# Altium PCB norbi_lm.PcbDoc (part 1 of 5) (continued)
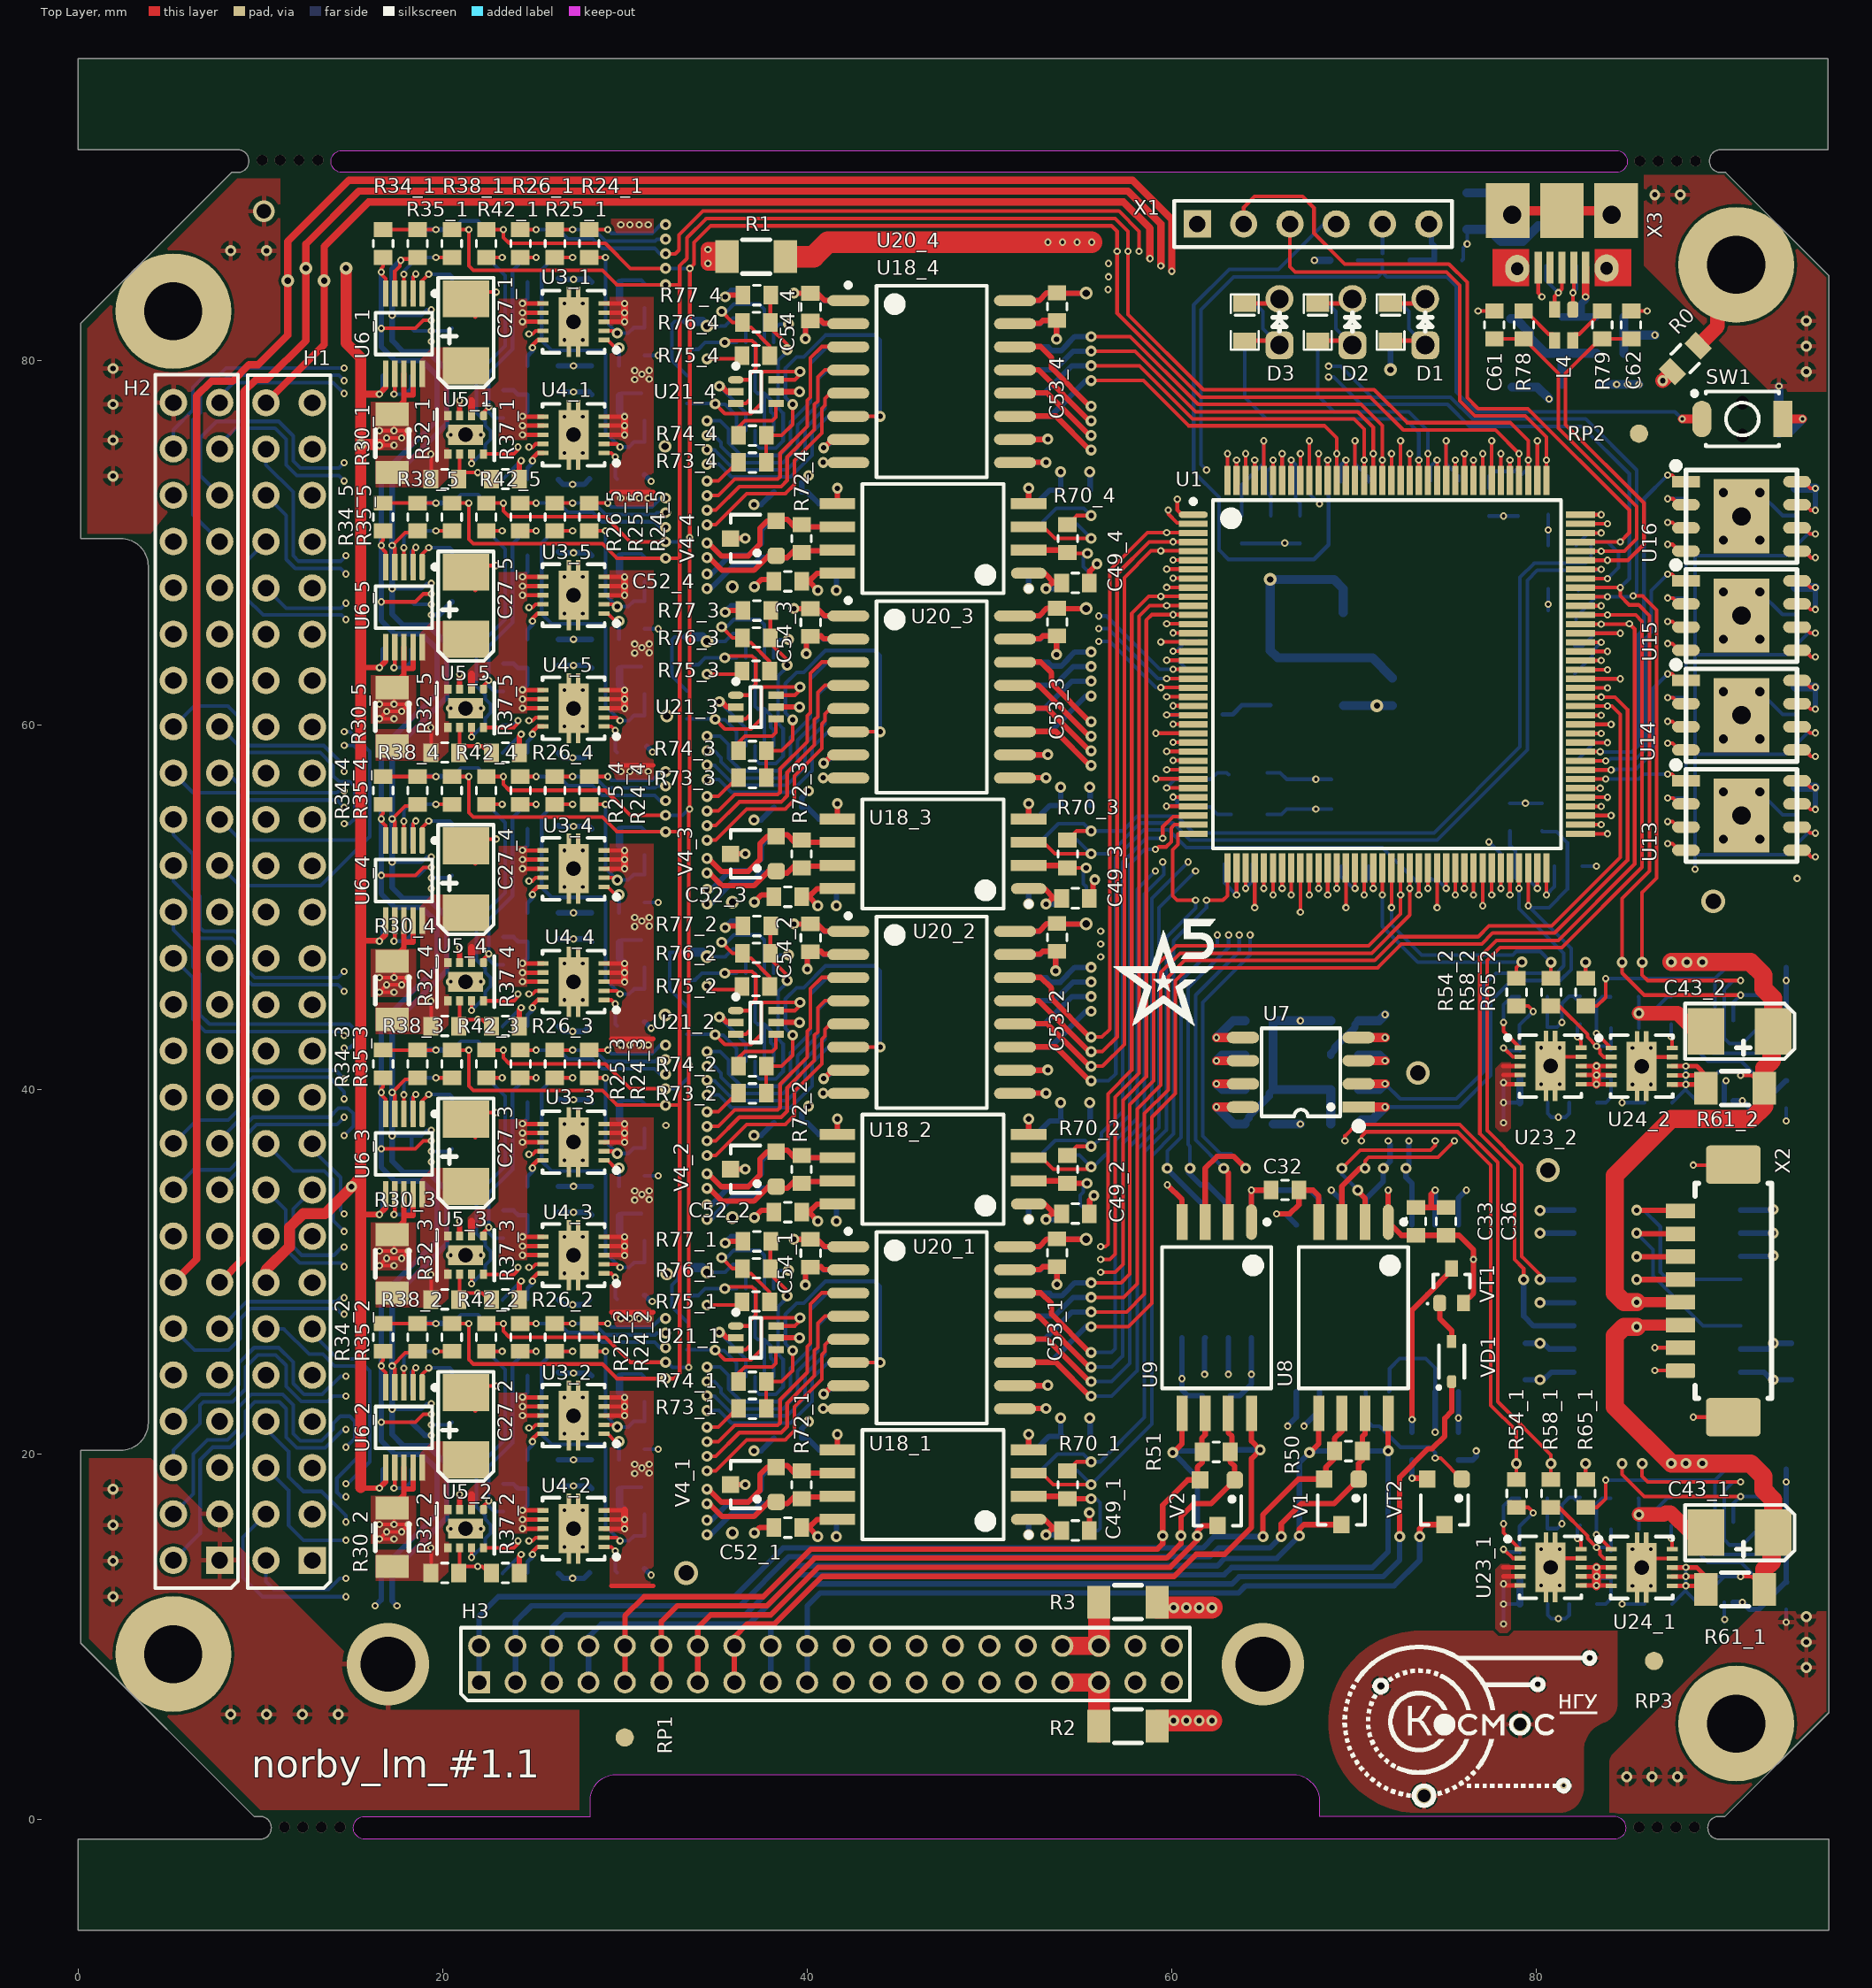
[diagram p0: Top Layer view]
## Components (designator, comment, footprint, x,y, rotation, side; value= is the part's Value field where it differs from the comment)
C1 "10мкФ" CR-0603 80.645,69.867 r0 bottom
C2 "10мкФ" CR-0603 78.1,52.278 r0 bottom
C3 "0,1мкФ" CR-0603 68.676,85.5 r0 bottom
C4 "0,1мкФ" CR-0603 72.675,61.076 r90 bottom
C5 "0,1мкФ" CR-0603 75.924,85.5 r180 bottom
C6 "10мкФ" CR-0603 67.021,56.924 r270 bottom
C7 "0,1мкФ" CR-0603 68.75,56.924 r270 bottom
C8 "0,1мкФ" CR-0603 61.4,57.042 r270 bottom
C9 "0,1мкФ" CR-0603 80.645,71.55 r0 bottom
C10 "0,1мкФ" CR-0603 82.1,62.837 r90 bottom
C11 "0,1мкФ" CR-0603 82.169,58.026 r90 bottom
C12 "0,1мкФ" CR-0603 82.52,52.278 r180 bottom
C13 "0,1мкФ" CR-0603 74,52.3 r0 bottom
C14 "0,1мкФ" CR-0603 61.4,64.624 r270 bottom
C15 "0,1мкФ" CR-0603 75.724,73.4 r180 bottom
C16 "0,1мкФ" CR-0603 70.8,73.35 r180 bottom
C17 "0,1мкФ" CR-0603 62.9,52.4 r0 bottom
C18 "0,1мкФ" CR-0603 69.276,52.278 r0 bottom
C19 "0,1мкФ" CR-0805 94.275,26.1 r270 bottom
C20 "0,1мкФ" CR-0805 78.9,26.1 r270 bottom
C21_1 "0,1мкФ" CR-0603 28.178,78.136 r0 bottom (schematic designator C21)
C21_2 "0,1мкФ" CR-0603 28.178,18.136 r0 bottom (schematic designator C21)
C21_3 "0,1мкФ" CR-0603 28.178,33.136 r0 bottom (schematic designator C21)
C21_4 "0,1мкФ" CR-0603 28.178,48.136 r0 bottom (schematic designator C21)
C21_5 "0,1мкФ" CR-0603 28.178,63.136 r0 bottom (schematic designator C21)
C22_1 "0,1мкФ" CR-0603 28.178,84.312 r0 bottom (schematic designator C22)
C22_2 "0,1мкФ" CR-0603 28.178,24.312 r0 bottom (schematic designator C22)
C22_3 "0,1мкФ" CR-0603 28.178,39.312 r0 bottom (schematic designator C22)
C22_4 "0,1мкФ" CR-0603 28.178,54.312 r0 bottom (schematic designator C22)
C22_5 "0,1мкФ" CR-0603 28.178,69.312 r0 bottom (schematic designator C22)
C23_1 "1мкФ" CR-0603 26.178,84.312 r180 bottom (schematic designator C23)
C23_2 "1мкФ" CR-0603 26.178,24.312 r180 bottom (schematic designator C23)
C23_3 "1мкФ" CR-0603 26.178,39.312 r180 bottom (schematic designator C23)
C23_4 "1мкФ" CR-0603 26.178,54.312 r180 bottom (schematic designator C23)
C23_5 "1мкФ" CR-0603 26.178,69.312 r180 bottom (schematic designator C23)
C24_1 "0,1мкФ" CR-0603 28.154,79.712 r0 bottom (schematic designator C24)
C24_2 "0,1мкФ" CR-0603 28.154,19.712 r0 bottom (schematic designator C24)
C24_3 "0,1мкФ" CR-0603 28.154,34.712 r0 bottom (schematic designator C24)
C24_4 "0,1мкФ" CR-0603 28.154,49.712 r0 bottom (schematic designator C24)
C24_5 "0,1мкФ" CR-0603 28.154,64.712 r0 bottom (schematic designator C24)
C25_1 "1мкФ" CR-0603 26.178,78.134 r180 bottom (schematic designator C25)
C25_2 "1мкФ" CR-0603 26.178,18.134 r180 bottom (schematic designator C25)
C25_3 "1мкФ" CR-0603 26.178,33.134 r180 bottom (schematic designator C25)
C25_4 "1мкФ" CR-0603 26.178,48.134 r180 bottom (schematic designator C25)
C25_5 "1мкФ" CR-0603 26.178,63.134 r180 bottom (schematic designator C25)
C26_1 "0,1мкФ" CR-0603 28.054,73.512 r0 bottom (schematic designator C26)
C26_2 "0,1мкФ" CR-0603 28.054,13.512 r0 bottom (schematic designator C26)
C26_3 "0,1мкФ" CR-0603 28.054,28.512 r0 bottom (schematic designator C26)
C26_4 "0,1мкФ" CR-0603 28.054,43.512 r0 bottom (schematic designator C26)
C26_5 "0,1мкФ" CR-0603 28.054,58.512 r0 bottom (schematic designator C26)
C27_1 "47мкФх10В" C_SMD_SIZE_B 21.278,79.712 r90 top (schematic designator C27)
C27_2 "47мкФх10В" C_SMD_SIZE_B 21.278,19.712 r90 top (schematic designator C27)
C27_3 "47мкФх10В" C_SMD_SIZE_B 21.278,34.712 r90 top (schematic designator C27)
C27_4 "47мкФх10В" C_SMD_SIZE_B 21.278,49.712 r90 top (schematic designator C27)
C27_5 "47мкФх10В" C_SMD_SIZE_B 21.278,64.712 r90 top (schematic designator C27)
C28_1 "0,22мкФ" CR-0603 23.312,73.512 r90 bottom (schematic designator C28)
C28_2 "0,22мкФ" CR-0603 23.312,13.512 r90 bottom (schematic designator C28)
C28_3 "0,22мкФ" CR-0603 23.312,28.512 r90 bottom (schematic designator C28)
C28_4 "0,22мкФ" CR-0603 23.312,43.512 r90 bottom (schematic designator C28)
C28_5 "0,22мкФ" CR-0603 23.312,58.512 r90 bottom (schematic designator C28)
C29_1 "0,22мкФ" CR-0603 18.256,79.161 r180 bottom (schematic designator C29)
C29_2 "0,22мкФ" CR-0603 18.256,19.161 r180 bottom (schematic designator C29)
C29_3 "0,22мкФ" CR-0603 18.256,34.161 r180 bottom (schematic designator C29)
C29_4 "0,22мкФ" CR-0603 18.256,49.161 r180 bottom (schematic designator C29)
C29_5 "0,22мкФ" CR-0603 18.256,64.161 r180 bottom (schematic designator C29)
C30 "0,1мкФ" CR-0603 65.55,38.13 r180 bottom
C31 "0,1мкФ" CR-0603 68.926,20.2 r0 bottom
C32 "0,1мкФ" CR-0603 66.974,34.5 r180 top
C33 "0,1мкФ" CR-0603 73.4,33.55 r270 top
C34 "0,1мкФ" CR-0603 61.75,20.2 r0 bottom
C35 "0,1мкФ" CR-0603 61.676,23.232 r0 bottom
C36 "0,1мкФ" CR-0603 75.05,33.55 r270 top
C37 "0,1мкФ" CR-0603 75.72,19.7 r90 bottom
C38_1 "0,1мкФ" CR-0603 80.624,11.8 r180 bottom (schematic designator C38)
C38_2 "0,1мкФ" CR-0603 80.624,39.3 r180 bottom (schematic designator C38)
C39_1 "1мкФ" CR-0603 81.8,11.8 r0 bottom (schematic designator C39)
C39_2 "1мкФ" CR-0603 81.8,39.3 r0 bottom (schematic designator C39)
C40_1 "0,1мкФ" CR-0603 80.6,17.6 r180 bottom (schematic designator C40)
C40_2 "0,1мкФ" CR-0603 80.6,45.1 r180 bottom (schematic designator C40)
C41_1 "1мкФ" CR-0603 85.926,11.8 r0 bottom (schematic designator C41)
C41_2 "1мкФ" CR-0603 85.926,39.3 r0 bottom (schematic designator C41)
C42_1 "0,1мкФ" CR-0603 85.6,17.6 r180 bottom (schematic designator C42)
C42_2 "0,1мкФ" CR-0603 85.6,45.1 r180 bottom (schematic designator C42)
C43_1 "10мкФх16В" C_SMD_SIZE_B 92.983,15.712 r180 top (schematic designator C43)
C43_2 "10мкФх16В" C_SMD_SIZE_B 92.983,43.212 r180 top (schematic designator C43)
C44_1 "0,22мкФ" CR-0603 93.7,11.5 r180 bottom (schematic designator C44)
C44_2 "0,22мкФ" CR-0603 93.7,39 r180 bottom (schematic designator C44)
C45 "0,1мкФ" CR-0603 94.2,55.076 r90 bottom
C46 "0,1мкФ" CR-0603 94.2,60.576 r90 bottom
C47 "0,1мкФ" CR-0603 94.2,66.076 r90 bottom
C48 "0,1мкФ" CR-0603 94.2,71.476 r90 bottom
C49_1 "0,1мкФ" CR-0603 55.475,15.825 r180 top (schematic designator C49)
C49_2 "0,1мкФ" CR-0603 55.478,33.2 r180 top (schematic designator C49)
C49_3 "0,1мкФ" CR-0603 55.478,50.5 r180 top (schematic designator C49)
C49_4 "0,1мкФ" CR-0603 55.478,67.8 r180 top (schematic designator C49)
C50_1 "0,1мкФ" CR-0603 55.399,20.875 r180 bottom (schematic designator C50)
C50_2 "0,1мкФ" CR-0603 55.399,38.15 r180 bottom (schematic designator C50)
C50_3 "0,1мкФ" CR-0603 55.4,55.5 r180 bottom (schematic designator C50)
C50_4 "0,1мкФ" CR-0603 55.4,72.825 r180 bottom (schematic designator C50)
C51_1 "0,1мкФ" CR-0603 38.176,20.9 r0 bottom (schematic designator C51)
C51_2 "0,1мкФ" CR-0603 38.176,38.2 r0 bottom (schematic designator C51)
C51_3 "0,1мкФ" CR-0603 38.176,55.5 r0 bottom (schematic designator C51)
C51_4 "0,1мкФ" CR-0603 38.176,72.8 r0 bottom (schematic designator C51)
C52_1 "0,1мкФ" CR-0603 38.176,16 r0 top (schematic designator C52)
C52_2 "0,1мкФ" CR-0603 38.176,33.3 r0 top (schematic designator C52)
C52_3 "0,1мкФ" CR-0603 38.176,50.6 r0 top (schematic designator C52)
C52_4 "0,1мкФ" CR-0603 38.176,67.9 r0 top (schematic designator C52)
C53_1 "0,1мкФ" CR-0603 53.7,30.3 r90 top (schematic designator C53)
C53_2 "0,1мкФ" CR-0603 53.7,47.6 r90 top (schematic designator C53)
C53_3 "0,1мкФ" CR-0603 53.7,64.9 r90 top (schematic designator C53)
C53_4 "0,1мкФ" CR-0603 53.7,82.2 r90 top (schematic designator C53)
C54_1 "0,1мкФ" CR-0603 40.178,30.276 r90 top (schematic designator C54)
C54_2 "0,1мкФ" CR-0603 40.178,47.576 r90 top (schematic designator C54)
C54_3 "0,1мкФ" CR-0603 40.178,64.876 r90 top (schematic designator C54)
C54_4 "0,1мкФ" CR-0603 40.178,82.176 r90 top (schematic designator C54)
C55_1 "0,1мкФ" CR-0603 40.178,30.3 r90 bottom (schematic designator C55)
C55_2 "0,1мкФ" CR-0603 40.178,47.6 r90 bottom (schematic designator C55)
C55_3 "0,1мкФ" CR-0603 40.178,64.9 r90 bottom (schematic designator C55)
C55_4 "0,1мкФ" CR-0603 40.178,82.2 r90 bottom (schematic designator C55)
C56_1 "0,1мкФ" CR-0603 53.7,30.3 r90 bottom (schematic designator C56)
C56_2 "0,1мкФ" CR-0603 53.7,47.6 r90 bottom (schematic designator C56)
C56_3 "0,1мкФ" CR-0603 53.7,64.9 r90 bottom (schematic designator C56)
C56_4 "0,1мкФ" CR-0603 53.7,82.2 r90 bottom (schematic designator C56)
C57_1 "0,1мкФ" CR-0603 36.61,31.954 r270 bottom (schematic designator C57)
C57_2 "0,1мкФ" CR-0603 36.61,49.254 r270 bottom (schematic designator C57)
C57_3 "0,1мкФ" CR-0603 36.61,66.554 r270 bottom (schematic designator C57)
C57_4 "0,1мкФ" CR-0603 36.61,83.854 r270 bottom (schematic designator C57)
C58 "10мкФ х 16В" C_SMD_SIZE_B 78.6,82.3 r270 bottom
C59 "0,1мкФ" CR-0603 84.8,82.4 r180 bottom
C60 "0,1мкФ" CR-0603 84.8,80.4 r180 bottom
C61 "22пФ" CR-0603 77.7,82.724 r270 top
C62 "22пФ" CR-0603 85.2,82.724 r270 top
D1 "LED" LED-0805 72,81.1 r90 top value=red
D2 "LED" LED-0805 68,81.1 r90 top value=green
D3 "LED" LED-0805 64,81.1 r90 top value=yellow
D4 "PESD5V0" SOD-323 80.525,85.2 r180 bottom
D5 "PESD5V0" SOD-323 82.2,85.2 r180 bottom
GK1 "VCC1" "5x7 Crystall Oscillatior" 69.4,66.18 r270 bottom
H1 "ESQ-126-39-G-D" ESQ-126-39-G-D 12.85,14.19 r90 top locked
H2 "ESQ-126-39-G-D" ESQ-126-39-G-D 7.77,14.2 r90 top locked
H3 "Header 20X2H" "PLD2-40 (DS-1025-05 2x20)" 22,7.5 r0 top locked
L1 "1мкГн" CR-0805 65.245,55.12 r180 bottom
L2 "1мкГн" CR-0805 63.245,57.4 r0 bottom
L3 "1мкГн" CR-0805 81.4,82.4 r270 bottom
L4 "65Ohm@100MHz" ACM2012 82,82.8 r270 top
L5 "1мкГн" CR-0805 76.2,89.2 r270 bottom
R0 "0" CR-0805 88.874,80.814 r225 top
R1 "0" CR-1206 38.8,85.7 r180 top
R2 "0" CR-1206 56,5.1 r0 top
R3 "0" CR-1206 56,11.9 r0 top
R4 "27" CR-0603 61.276,60.6 r0 bottom
R5 "10к" CR-0603 67.039,69.976 r90 bottom
R6 "10к" CR-0603 65.439,69.976 r90 bottom
R7 "1к" CR-0603 67.574,73.35 r180 bottom
R8 "10к" CR-0603 71.55,85.5 r0 bottom
R9 "10к" CR-0603 80.645,65.8 r0 bottom
R10 "10к" CR-0603 80.645,67.483 r0 bottom
R11 "10к" CR-0603 79.002,71.476 r90 bottom
R12 "10к" CR-0603 77.402,71.476 r90 bottom
R13 "10к" CR-0603 78.55,55.724 r270 bottom
R14 "10к" CR-0603 80.3,55.724 r270 bottom
R15 "10к" CR-0603 63.839,69.976 r90 bottom
R16 "5к" CR-0603 72,81.4 r90 bottom
R17 "13к" CR-0603 68,81.4 r90 bottom
R18 "3к" CR-0603 64,81.4 r90 bottom
R19 "500" CR-0603 93.3,76 r90 bottom
R20_1 "20к" CR-0603 33.4,28.726 r90 bottom (schematic designator R20)
R20_2 "20к" CR-0603 33.425,46.025 r90 bottom (schematic designator R20)
R20_3 "20к" CR-0603 33.5,63.376 r90 bottom (schematic designator R20)
R20_4 "20к" CR-0603 33.4,80.625 r90 bottom (schematic designator R20)
R21_1 "R17_value" CR-0603 31.078,84.412 r270 bottom value=1М (schematic designator R21)
R21_2 "R17_value" CR-0603 31.078,24.412 r270 bottom value=1М (schematic designator R21)
R21_3 "R17_value" CR-0603 31.078,39.412 r270 bottom value=1М (schematic designator R21)
R21_4 "R17_value" CR-0603 31.078,54.412 r270 bottom value=1М (schematic designator R21)
R21_5 "R17_value" CR-0603 31.078,69.412 r270 bottom value=1М (schematic designator R21)
R22_1 "R18_value" CR-0603 31.078,81.812 r270 bottom value=300к (schematic designator R22)
R22_2 "R18_value" CR-0603 31.078,21.812 r270 bottom value=300к (schematic designator R22)
R22_3 "R18_value" CR-0603 31.078,36.812 r270 bottom value=300к (schematic designator R22)
R22_4 "R18_value" CR-0603 31.078,51.812 r270 bottom value=300к (schematic designator R22)
R22_5 "R18_value" CR-0603 31.078,66.812 r270 bottom value=300к (schematic designator R22)
R23_1 "100к" CR-0603 26.178,79.712 r180 bottom (schematic designator R23)
R23_2 "100к" CR-0603 26.178,19.712 r180 bottom (schematic designator R23)
R23_3 "100к" CR-0603 26.178,34.712 r180 bottom (schematic designator R23)
R23_4 "100к" CR-0603 26.178,49.712 r180 bottom (schematic designator R23)
R23_5 "100к" CR-0603 26.178,64.712 r180 bottom (schematic designator R23)
R24_1 "100" CR-0603 28.032,85.661 r90 top (schematic designator R24)
R24_2 "100" CR-0603 28.032,25.661 r90 top (schematic designator R24)
R24_3 "100" CR-0603 28.032,40.661 r90 top (schematic designator R24)
R24_4 "100" CR-0603 28.032,55.661 r90 top (schematic designator R24)
R24_5 "100" CR-0603 28.032,70.661 r90 top (schematic designator R24)
R25_1 "NU" CR-0603 26.149,85.661 r90 top (schematic designator R25)
R25_2 "100" CR-0603 26.149,25.661 r90 top (schematic designator R25)
R25_3 "100" CR-0603 26.149,40.661 r90 top (schematic designator R25)
R25_4 "100" CR-0603 26.149,55.661 r90 top (schematic designator R25)
R25_5 "100" CR-0603 26.149,70.661 r90 top (schematic designator R25)
R26_1 "NU" CR-0603 24.265,85.661 r90 top (schematic designator R26)
R26_2 "100" CR-0603 24.265,25.661 r90 top (schematic designator R26)
R26_3 "100" CR-0603 24.265,40.661 r90 top (schematic designator R26)
R26_4 "100" CR-0603 24.265,55.661 r90 top (schematic designator R26)
R26_5 "100" CR-0603 24.265,70.661 r90 top (schematic designator R26)
R27_1 "R17_value" CR-0603 31.078,78.236 r270 bottom value=1М (schematic designator R27)
R27_2 "R17_value" CR-0603 31.078,18.236 r270 bottom value=1М (schematic designator R27)
R27_3 "R17_value" CR-0603 31.078,33.236 r270 bottom value=1М (schematic designator R27)
R27_4 "R17_value" CR-0603 31.078,48.236 r270 bottom value=1М (schematic designator R27)
R27_5 "R17_value" CR-0603 31.078,63.236 r270 bottom value=1М (schematic designator R27)
R28_1 "R18_value" CR-0603 31.078,75.536 r270 bottom value=300к (schematic designator R28)
R28_2 "R18_value" CR-0603 31.078,15.536 r270 bottom value=300к (schematic designator R28)
R28_3 "R18_value" CR-0603 31.078,30.536 r270 bottom value=300к (schematic designator R28)
R28_4 "R18_value" CR-0603 31.078,45.536 r270 bottom value=300к (schematic designator R28)
R28_5 "R18_value" CR-0603 31.078,60.536 r270 bottom value=300к (schematic designator R28)
R29_1 "100к" CR-0603 26.178,73.512 r180 bottom (schematic designator R29)
R29_2 "100к" CR-0603 26.178,13.512 r180 bottom (schematic designator R29)
R29_3 "100к" CR-0603 26.178,28.512 r180 bottom (schematic designator R29)
R29_4 "100к" CR-0603 26.178,43.512 r180 bottom (schematic designator R29)
R29_5 "100к" CR-0603 26.178,58.512 r180 bottom (schematic designator R29)
R30_1 "0,01" CR-1206 17.232,77.061 r270 top value=0.015 (schematic designator R30)
R30_2 "0,01" CR-1206 17.232,17.061 r270 top value=0.015 (schematic designator R30)
R30_3 "0,01" CR-1206 17.232,32.061 r270 top value=0.015 (schematic designator R30)
R30_4 "0,01" CR-1206 17.232,47.061 r270 top value=0.015 (schematic designator R30)
R30_5 "0,01" CR-1206 17.232,62.061 r270 top value=0.015 (schematic designator R30)
R31_1 "10к" CR-0603 23.332,76.861 r90 bottom (schematic designator R31)
R31_2 "NU" CR-0603 23.332,16.861 r90 bottom (schematic designator R31)
R31_3 "NU" CR-0603 23.332,31.861 r90 bottom (schematic designator R31)
R31_4 "NU" CR-0603 23.332,46.861 r90 bottom (schematic designator R31)
R31_5 "NU" CR-0603 23.332,61.861 r90 bottom (schematic designator R31)
R32_1 "150к" CR-0603 20.878,73.493 r180 top (schematic designator R32)
R32_2 "160к" CR-0603 20.878,13.493 r180 top (schematic designator R32)
R32_3 "160к" CR-0603 20.878,28.493 r180 top (schematic designator R32)
R32_4 "160к" CR-0603 20.878,43.493 r180 top (schematic designator R32)
R32_5 "160к" CR-0603 20.878,58.493 r180 top (schematic designator R32)
R33_1 "NU" CR-0603 20.878,73.512 r180 bottom (schematic designator R33)
R33_2 "NU" CR-0603 20.878,13.512 r180 bottom (schematic designator R33)
R33_3 "NU" CR-0603 20.878,28.512 r180 bottom (schematic designator R33)
R33_4 "NU" CR-0603 20.878,43.512 r180 bottom (schematic designator R33)
R33_5 "NU" CR-0603 20.878,58.512 r180 bottom (schematic designator R33)
R34_1 "NU" CR-0603 16.732,85.661 r90 top (schematic designator R34)
R34_2 "NU" CR-0603 16.732,25.661 r90 top (schematic designator R34)
R34_3 "NU" CR-0603 16.732,40.661 r90 top (schematic designator R34)
R34_4 "NU" CR-0603 16.732,55.661 r90 top (schematic designator R34)
R34_5 "NU" CR-0603 16.732,70.661 r90 top (schematic designator R34)
R35_1 "NU" CR-0603 18.615,85.661 r90 top (schematic designator R35)
R35_2 "NU" CR-0603 18.615,25.661 r90 top (schematic designator R35)
R35_3 "NU" CR-0603 18.615,40.661 r90 top (schematic designator R35)
R35_4 "NU" CR-0603 18.615,55.661 r90 top (schematic designator R35)
R35_5 "NU" CR-0603 18.615,70.661 r90 top (schematic designator R35)
R36_1 "NU" CR-0603 18.632,85.661 r90 bottom (schematic designator R36)
R36_2 "NU" CR-0603 18.632,25.661 r90 bottom (schematic designator R36)
R36_3 "NU" CR-0603 18.632,40.661 r90 bottom (schematic designator R36)
R36_4 "NU" CR-0603 18.632,55.661 r90 bottom (schematic designator R36)
R36_5 "NU" CR-0603 18.632,70.661 r90 bottom (schematic designator R36)
R37_1 "47к" CR-0603 24.202,73.493 r180 top (schematic designator R37)
R37_2 "30к" CR-0603 24.202,13.493 r180 top (schematic designator R37)
R37_3 "30к" CR-0603 24.202,28.493 r180 top (schematic designator R37)
R37_4 "30к" CR-0603 24.202,43.493 r180 top (schematic designator R37)
R37_5 "30к" CR-0603 24.202,58.493 r180 top (schematic designator R37)
R38_1 "100" CR-0603 20.517,87.185 r270 top (schematic designator R38)
R38_2 "100" CR-0603 20.517,27.185 r270 top (schematic designator R38)
R38_3 "100" CR-0603 20.517,42.185 r270 top (schematic designator R38)
R38_4 "100" CR-0603 20.517,57.185 r270 top (schematic designator R38)
R38_5 "100" CR-0603 20.517,72.185 r270 top (schematic designator R38)
R39_1 "100" CR-0603 18.299,81.771 r90 bottom (schematic designator R39)
R39_2 "100" CR-0603 18.299,21.771 r90 bottom (schematic designator R39)
R39_3 "100" CR-0603 18.299,36.771 r90 bottom (schematic designator R39)
R39_4 "100" CR-0603 18.299,51.771 r90 bottom (schematic designator R39)
R39_5 "100" CR-0603 18.299,66.771 r90 bottom (schematic designator R39)
R40_1 "100" CR-0603 20.517,81.771 r90 bottom (schematic designator R40)
R40_2 "100" CR-0603 20.517,21.771 r90 bottom (schematic designator R40)
R40_3 "100" CR-0603 20.517,36.771 r90 bottom (schematic designator R40)
R40_4 "100" CR-0603 20.517,51.771 r90 bottom (schematic designator R40)
R40_5 "100" CR-0603 20.517,66.771 r90 bottom (schematic designator R40)
R41_1 "NU" CR-0603 22.432,85.661 r90 bottom (schematic designator R41)
R41_2 "NU" CR-0603 22.432,25.661 r90 bottom (schematic designator R41)
R41_3 "NU" CR-0603 22.432,40.661 r90 bottom (schematic designator R41)
R41_4 "NU" CR-0603 22.432,55.661 r90 bottom (schematic designator R41)
R41_5 "NU" CR-0603 22.432,70.661 r90 bottom (schematic designator R41)
R42_1 "100" CR-0603 22.4,87.185 r270 top (schematic designator R42)
R42_2 "100" CR-0603 22.4,27.185 r270 top (schematic designator R42)
R42_3 "100" CR-0603 22.4,42.185 r270 top (schematic designator R42)
R42_4 "100" CR-0603 22.4,57.185 r270 top (schematic designator R42)
R42_5 "100" CR-0603 22.4,72.185 r270 top (schematic designator R42)
R43 "NU" CR-0603 70.25,38.13 r180 bottom
R44 "NU" CR-0603 70.25,40.017 r180 bottom
R45 "NU" CR-0603 70.25,43.791 r180 bottom
R46 "100" CR-0603 65.55,40.017 r180 bottom
R47 "100" CR-0603 70.25,41.904 r180 bottom
R48 "100" CR-0603 65.55,41.904 r180 bottom
R49 "100" CR-0603 65.55,43.791 r180 bottom
R50 "120" CR-0603 68.926,20.2 r0 top
R51 "120" CR-0603 61.676,20.15 r0 top
R52 "10к" CR-0603 73.18,21.224 r270 bottom
R53_1 "1М" CR-0603 79.1,14.624 r270 bottom (schematic designator R53)
R53_2 "1М" CR-0603 79.1,42.124 r270 bottom (schematic designator R53)
R54_1 "100" CR-0603 78.9,17.1 r90 top (schematic designator R54)
R54_2 "100" CR-0603 78.9,44.6 r90 top (schematic designator R54)
R55_1 "10к" CR-0603 82.4,17.637 r270 bottom (schematic designator R55)
R55_2 "10к" CR-0603 82.4,45.137 r270 bottom (schematic designator R55)
R56_1 "300к" CR-0603 80.6,15.933 r180 bottom (schematic designator R56)
R56_2 "300к" CR-0603 80.6,43.433 r180 bottom (schematic designator R56)
R57_1 "1М" CR-0603 84.1,14.724 r270 bottom (schematic designator R57)
R57_2 "1М" CR-0603 84.1,42.224 r270 bottom (schematic designator R57)
R58_1 "100" CR-0603 80.8,17.1 r90 top (schematic designator R58)
R58_2 "100" CR-0603 80.8,44.6 r90 top (schematic designator R58)
R59_1 "10к" CR-0603 87.4,17.624 r270 bottom (schematic designator R59)
R59_2 "10к" CR-0603 87.4,45.124 r270 bottom (schematic designator R59)
R60_1 "300к" CR-0603 85.624,15.9 r180 bottom (schematic designator R60)
R60_2 "300к" CR-0603 85.624,43.4 r180 bottom (schematic designator R60)
R61_1 "0.015" CR-1206 92.5,12.6 r180 top (schematic designator R61)
R61_2 "0.015" CR-1206 92.5,40.1 r180 top (schematic designator R61)
R62_1 "NU" CR-0603 92.176,17.656 r0 bottom (schematic designator R62)
R62_2 "NU" CR-0603 92.176,45.156 r0 bottom (schematic designator R62)
R63_1 "NU" CR-0603 92.176,16.113 r0 bottom (schematic designator R63)
R63_2 "NU" CR-0603 92.176,43.613 r0 bottom (schematic designator R63)
R64_1 "NU" CR-0603 92.176,19.2 r0 bottom (schematic designator R64)
R64_2 "NU" CR-0603 92.176,46.7 r0 bottom (schematic designator R64)
R65_1 "100" CR-0603 82.7,18.624 r270 top (schematic designator R65)
R65_2 "100" CR-0603 82.7,46.124 r270 top (schematic designator R65)
R66_1 "100" CR-0603 93.724,14.512 r180 bottom (schematic designator R66)
R66_2 "100" CR-0603 93.724,42.012 r180 bottom (schematic designator R66)
R67_1 "100" CR-0603 93.724,13 r180 bottom (schematic designator R67)
R67_2 "100" CR-0603 93.724,40.5 r180 bottom (schematic designator R67)
R68_1 "120" CR-0603 39.7,17.576 r90 bottom (schematic designator R68)
R68_2 "120" CR-0603 39.7,34.876 r90 bottom (schematic designator R68)
R68_3 "120" CR-0603 39.7,52.176 r90 bottom (schematic designator R68)
R68_4 "120" CR-0603 39.7,69.476 r90 bottom (schematic designator R68)
R69_1 "10к" CR-0603 53.95,15.825 r0 bottom (schematic designator R69)
R69_2 "10к" CR-0603 53.954,33.2 r0 bottom (schematic designator R69)
R69_3 "10к" CR-0603 53.954,50.5 r0 bottom (schematic designator R69)
R69_4 "10к" CR-0603 53.954,67.8 r0 bottom (schematic designator R69)
R70_1 "NU" CR-0603 54.278,17.576 r90 top (schematic designator R70)
R70_2 "NU" CR-0603 54.278,34.876 r90 top (schematic designator R70)
R70_3 "NU" CR-0603 54.278,52.176 r90 top (schematic designator R70)
R70_4 "NU" CR-0603 54.278,69.476 r90 top (schematic designator R70)
R71_1 "NU" CR-0603 54.278,19.124 r270 bottom (schematic designator R71)
R71_2 "NU" CR-0603 54.278,36.424 r270 bottom (schematic designator R71)
R71_3 "NU" CR-0603 54.278,53.724 r270 bottom (schematic designator R71)
R71_4 "NU" CR-0603 54.278,71.024 r270 bottom (schematic designator R71)
R72_1 "120" CR-0603 39.7,19.1 r270 top (schematic designator R72)
R72_2 "120" CR-0603 39.7,36.4 r270 top (schematic designator R72)
R72_3 "120" CR-0603 39.7,53.7 r270 top (schematic designator R72)
R72_4 "120" CR-0603 39.7,71 r270 top (schematic designator R72)
R73_1 "0" CR-0603 36.23,22.52 r0 top (schematic designator R73)
R73_2 "0" CR-0603 36.23,39.82 r0 top (schematic designator R73)
R73_3 "0" CR-0603 36.23,57.12 r0 top (schematic designator R73)
R73_4 "0" CR-0603 36.23,74.42 r0 top (schematic designator R73)
R74_1 "NU" CR-0603 36.23,24 r0 top (schematic designator R74)
R74_2 "NU" CR-0603 36.23,41.3 r0 top (schematic designator R74)
R74_3 "NU" CR-0603 36.23,58.6 r0 top (schematic designator R74)
R74_4 "NU" CR-0603 36.23,75.9 r0 top (schematic designator R74)
R75_1 "2k5" CR-0603 37.946,28.38 r180 top (schematic designator R75)
R75_2 "2k5" CR-0603 37.946,45.68 r180 top (schematic designator R75)
R75_3 "2k5" CR-0603 37.946,62.98 r180 top (schematic designator R75)
R75_4 "2k5" CR-0603 37.946,80.28 r180 top (schematic designator R75)
R76_1 "820" CR-0603 37.978,30.2 r180 top (schematic designator R76)
R76_2 "820" CR-0603 37.978,47.5 r180 top (schematic designator R76)
R76_3 "820" CR-0603 37.978,64.8 r180 top (schematic designator R76)
R76_4 "820" CR-0603 37.978,82.1 r180 top (schematic designator R76)
R77_1 "1к6" CR-0603 36.476,31.7 r0 top (schematic designator R77)
R77_2 "1к6" CR-0603 36.476,49 r0 top (schematic designator R77)
R77_3 "1к6" CR-0603 36.476,66.3 r0 top (schematic designator R77)
R77_4 "1к6" CR-0603 36.476,83.6 r0 top (schematic designator R77)
R78 "27" CR-0603 79.3,81.2 r90 top
R79 "27" CR-0603 83.6,81.2 r90 top
R80_1 "20к" CR-0603 33.425,25.75 r90 bottom (schematic designator R80)
R80_2 "20к" CR-0603 33.4,43.076 r90 bottom (schematic designator R80)
R80_3 "20к" CR-0603 33.543,60.421 r90 bottom (schematic designator R80)
R80_4 "20к" CR-0603 33.4,77.65 r90 bottom (schematic designator R80)
RP1 "RP" ReperPoint 29.989,4.475 r0 top
RP2 "RP" ReperPoint 85.625,76 r0 top
RP3 "RP" ReperPoint 86.45,8.675 r0 top
RP4 "RP" ReperPoint 29.975,4.475 r180 bottom
RP5 "RP" ReperPoint 77.675,2.45 r180 bottom
RP6 "RP" ReperPoint 13.75,87.75 r180 bottom
SW1 "Push button" TVAF06 89.075,76.8 r0 top
U1 "STM32F405ZGT7" LQFP144 71.8,62.8 r0 top
U2 "ADuM1402" SOIC-16-WIDE 82.05,24.515 r0 bottom
U3_1 "TPS259261ВК" VSON-10 28.857,81.133 r180 top (schematic designator U3)
U3_2 "TPS259261ВК" VSON-10 28.857,21.133 r180 top (schematic designator U3)
U3_3 "TPS259261ВК" VSON-10 28.857,36.133 r180 top (schematic designator U3)
U3_4 "TPS259261ВК" VSON-10 28.857,51.133 r180 top (schematic designator U3)
U3_5 "TPS259261ВК" VSON-10 28.857,66.133 r180 top (schematic designator U3)
U4_1 "TPS259261ВК" VSON-10 28.857,74.933 r180 top (schematic designator U4)
U4_2 "TPS259261ВК" VSON-10 28.857,14.933 r180 top (schematic designator U4)
U4_3 "TPS259261ВК" VSON-10 28.857,29.933 r180 top (schematic designator U4)
U4_4 "TPS259261ВК" VSON-10 28.857,44.933 r180 top (schematic designator U4)
U4_5 "TPS259261ВК" VSON-10 28.857,59.933 r180 top (schematic designator U4)
U5_1 "TPS82130" uSiL-8 22.237,76.982 r270 top (schematic designator U5)
U5_2 "TPS82130" uSiL-8 22.237,16.982 r270 top (schematic designator U5)
U5_3 "TPS82130" uSiL-8 22.237,31.982 r270 top (schematic designator U5)
U5_4 "TPS82130" uSiL-8 22.237,46.982 r270 top (schematic designator U5)
U5_5 "TPS82130" uSiL-8 22.237,61.982 r270 top (schematic designator U5)
U6_1 "INA226" VSSOP-8 17.878,81.482 r270 top (schematic designator U6)
U6_2 "INA226" VSSOP-8 17.878,21.482 r270 top (schematic designator U6)
U6_3 "INA226" VSSOP-8 17.878,36.482 r270 top (schematic designator U6)
U6_4 "INA226" VSSOP-8 17.878,51.482 r270 top (schematic designator U6)
U6_5 "INA226" VSSOP-8 17.878,66.482 r270 top (schematic designator U6)
U7 "TMP1075" SOIC-8 70.25,39.06 r180 top
U8 "ISO1042" SOIC-8-WIDE 71.845,32.75 r270 top
U9 "ISO1042" SOIC-8-WIDE 64.345,32.75 r270 top
U10 "ISO1540" SOIC-8 64.37,26.4 r90 bottom
U11 "ADuM1402" SOIC-16-WIDE 75.725,23.45 r90 bottom
U12_1 "INA261" VSSOP-8 89.8,14.1 r270 bottom (schematic designator U12)
U12_2 "INA261" VSSOP-8 89.8,41.6 r270 bottom (schematic designator U12)
U13 "FM25V20" TDFN-8 88.202,56.95 r0 top
U14 "FM25V20" TDFN-8 88.202,62.45 r0 top
U15 "FM25V20" TDFN-8 88.202,67.92 r0 top
U16 "FM25V20" TDFN-8 88.202,73.36 r0 top
U17_1 "ISO1042" SOIC-8-WIDE 52.15,20.2 r180 bottom (schematic designator U17)
U17_2 "ISO1042" SOIC-8-WIDE 52.15,37.5 r180 bottom (schematic designator U17)
U17_3 "ISO1042" SOIC-8-WIDE 52.15,54.8 r180 bottom (schematic designator U17)
U17_4 "ISO1042" SOIC-8-WIDE 52.15,72.1 r180 bottom (schematic designator U17)
U18_1 "ISO1042" SOIC-8-WIDE 52.15,16.465 r180 top (schematic designator U18)
U18_2 "ISO1042" SOIC-8-WIDE 52.15,33.765 r180 top (schematic designator U18)
U18_3 "ISO1042" SOIC-8-WIDE 52.15,51.065 r180 top (schematic designator U18)
U18_4 "ISO1042" SOIC-8-WIDE 52.15,68.365 r180 top (schematic designator U18)
U19_1 "ADuM1400" SOIC-16-WIDE 51.4,31.4 r180 bottom (schematic designator U19)
U19_2 "ADuM1400" SOIC-16-WIDE 51.4,48.7 r180 bottom (schematic designator U19)
U19_3 "ADuM1400" SOIC-16-WIDE 51.4,66 r180 bottom (schematic designator U19)
U19_4 "ADuM1400" SOIC-16-WIDE 51.4,83.3 r180 bottom (schematic designator U19)
U20_1 "ADuM1400" SOIC-16-WIDE 42.25,31.4 r0 top (schematic designator U20)
U20_2 "ADuM1400" SOIC-16-WIDE 42.25,48.7 r0 top (schematic designator U20)
U20_3 "ADuM1400" SOIC-16-WIDE 42.25,66 r0 top (schematic designator U20)
U20_4 "ADuM1400" SOIC-16-WIDE 42.25,83.3 r0 top (schematic designator U20)
U21_1 "NC7SZ57P6X" "SC70 6-Lead" 36.081,27.05 r0 top (schematic designator U21)
U21_2 "NC7SZ57P6X" "SC70 6-Lead" 36.081,44.35 r0 top (schematic designator U21)
U21_3 "NC7SZ57P6X" "SC70 6-Lead" 36.081,61.65 r0 top (schematic designator U21)
U21_4 "NC7SZ57P6X" "SC70 6-Lead" 36.081,78.95 r0 top (schematic designator U21)
U22_1 "ADCMP395ARMZ" MSOP-10 36.124,29.105 r0 bottom (schematic designator U22)
U22_2 "ADCMP395ARMZ" MSOP-10 36.124,46.405 r0 bottom (schematic designator U22)
U22_3 "ADCMP395ARMZ" MSOP-10 36.124,63.705 r0 bottom (schematic designator U22)
U22_4 "ADCMP395ARMZ" MSOP-10 36.124,81.005 r0 bottom (schematic designator U22)
U23_1 "TPS259261ВК" VSON-10 79.1,14.812 r0 top (schematic designator U23)
U23_2 "TPS259261ВК" VSON-10 79.1,42.312 r0 top (schematic designator U23)
U24_1 "TPS259261ВК" VSON-10 84.1,14.8 r0 top (schematic designator U24)
U24_2 "TPS259261ВК" VSON-10 84.1,42.3 r0 top (schematic designator U24)
V1 "PESD2CAN" SOT-23 70.25,18.65 r270 top
V2 "PESD2CAN" SOT-23 63.45,18.6 r270 top
V3_1 "PESD2CAN" SOT-23 38.3,19.3 r180 bottom (schematic designator V3)
V3_2 "PESD2CAN" SOT-23 38.3,36.6 r180 bottom (schematic designator V3)
V3_3 "PESD2CAN" SOT-23 38.3,53.9 r180 bottom (schematic designator V3)
V3_4 "PESD2CAN" SOT-23 38.3,71.2 r180 bottom (schematic designator V3)
V4_1 "PESD2CAN" SOT-23 38.3,17.4 r180 top (schematic designator V4)
V4_2 "PESD2CAN" SOT-23 38.3,34.7 r180 top (schematic designator V4)
V4_3 "PESD2CAN" SOT-23 38.3,52 r180 top (schematic designator V4)
V4_4 "PESD2CAN" SOT-23 38.3,69.3 r180 top (schematic designator V4)
VD1 "1N4148WS" SOD-323 75.35,24 r0 top
VD2 "MBR0540" SOD-323 83.6,78.7 r270 bottom
VT1 "PDTA123JU" "SOT-323 (SC-70)" 74.7,28.3 r90 top
VT2 "PDTC143ZT" SOT-23 75.9,18.65 r270 top
X1 "Header 6" HDR1X6 61.4,87.5 r0 top
X2 "MOLEX-PB-8" MOLEX-PB-8-R 87.925,24.625 r90 top locked
X3 "mico-BF" "USB MICRO-BF" 81.4,85.1 r180 top

## Footprints (in the part's own frame and the unit in brackets; to place one, negate y for a bottom-side part, rotate by r counter-clockwise, add the part's x,y. Pads: shape width x height; smd on the part's side, far side on the other; paste and mask are expansions set on the pad)
"5x7 Crystall Oscillatior" [mm]
  rrect50% 2x2 smd: 1(0,0)
  rect 2x2 smd: 2(5.08,0) 3(5.08,4) 4(0,4)
  silkscreen extent -1.22,-0.72 6.32,4.72, body extent -0.95,-0.51 6.05,4.51, height 1.52
ACM2012 [mm]
  rrect50% 0.9x0.6 smd: 1(0,0)
  rect 0.9x0.6 smd: 2(0,-1) 3(1.7,-1) 4(1.7,0)
  body extent -0.2,-1.1 1.8,0.1, height 1.29
C_SMD_SIZE_B [mil]
  rect 80x100 smd: 1(0,0) 2(145,0)
  silkscreen extent -46,-60 190,60, body extent 5,-55 145,55, height 75
CR-0603 [mil]
  rect 32x40 smd: 1(0,0) 2(60,0)
  silkscreen extent 23,-22 37,21, body extent -2,-17 63,17, height 17
CR-0805 [mil]
  rect 35x50 smd: 1(0,0) 2(78.74,0)
  silkscreen extent 26,-29 53,29, body extent 1,-25 80,25, height 17
CR-1206 [mm]
  rect 1.27x1.8 smd: 1(0,0) 2(3.2,0)
  silkscreen extent 0.85,-0.92 2.35,0.92, body extent 0.01,-0.8 3.21,0.8, height 0.51
ESQ-126-39-G-D [mm] ".100\" PC/10 Elevated Socket Strip"
  rect 1.5x1.5 hole 0.9: 1(0,0)
  round 1.5 hole 0.9: 2(0,2.54) 3(2.54,0) 4(2.54,2.54) 5(5.08,0) 6(5.08,2.54) 7(7.62,0) 8(7.62,2.54) 9(10.16,0) 10(10.16,2.54) 11(12.7,0) 12(12.7,2.54) 13(15.24,0) 14(15.24,2.54) 15(17.78,0) 16(17.78,2.54) 17(20.32,0) 18(20.32,2.54) 19(22.86,0) 20(22.86,2.54) 21(25.4,0) 22(25.4,2.54) 23(27.94,0) 24(27.94,2.54) 25(30.48,0) 26(30.48,2.54) 27(33.02,0) 28(33.02,2.54) 29(35.56,0) 30(35.56,2.54) 31(38.1,0) 32(38.1,2.54) 33(40.64,0) 34(40.64,2.54) 35(43.18,0) 36(43.18,2.54) 37(45.72,0) 38(45.72,2.54) 39(48.26,0) 40(48.26,2.54) 41(50.8,0) 42(50.8,2.54) 43(53.34,0) 44(53.34,2.54) 45(55.88,0) 46(55.88,2.54) 47(58.42,0) 48(58.42,2.54) 49(60.96,0) 50(60.96,2.54) 51(63.5,0) 52(63.5,2.54)
  silkscreen extent -1.53,-1 65.02,3.54, body extent -1.39,-1.22 64.9,3.78, height 11.2
HDR1X6 [mm] "Connector; Header; 6 Position"
  rect 1.5x1.5 hole 0.9: 1(0,0)
  round 1.5 hole 0.9: 2(2.54,0) 3(5.08,0) 4(7.62,0) 5(10.16,0) 6(12.7,0)
  silkscreen extent -1.27,-1.27 13.97,1.27
LED-0805 [mil]
  rrect50% 60x60 hole 40: 1(-10,-75)
  rect 35x50 smd: 1(0,0) 2(80,0)
  round 60 hole 40: 2(90,-75)
  Top Layer lines w10: 0,0 0,-65 ; 80,0 80,-65
  silkscreen extent -20,-90 100,30, body extent 1,-25 80,25, height 43
LQFP144 [mm] "Thin QFP, 144-Leads, Body 20x20mm, Pitch 0.5mm, ST Recommended"
  oval 1.6x0.35 smd: 1(-10.625,8.75)
  rect 1.6x0.35 smd: 2(-10.625,8.25) 3(-10.625,7.75) 4(-10.625,7.25) 5(-10.625,6.75) 6(-10.625,6.25) 7(-10.625,5.75) 8(-10.625,5.25) 9(-10.625,4.75) 10(-10.625,4.25) 11(-10.625,3.75) 12(-10.625,3.25) 13(-10.625,2.75) 14(-10.625,2.25) 15(-10.625,1.75) 16(-10.625,1.25) 17(-10.625,0.75) 18(-10.625,0.25) 19(-10.625,-0.25) 20(-10.625,-0.75) 21(-10.625,-1.25) 22(-10.625,-1.75) 23(-10.625,-2.25) 24(-10.625,-2.75) 25(-10.625,-3.25) 26(-10.625,-3.75) 27(-10.625,-4.25) 28(-10.625,-4.75) 29(-10.625,-5.25) 30(-10.625,-5.75) 31(-10.625,-6.25) 32(-10.625,-6.75) 33(-10.625,-7.25) 34(-10.625,-7.75) 35(-10.625,-8.25) 36(-10.625,-8.75) 73(10.625,-8.75) 74(10.625,-8.25) 75(10.625,-7.75) 76(10.625,-7.25) 77(10.625,-6.75) 78(10.625,-6.25) 79(10.625,-5.75) 80(10.625,-5.25) 81(10.625,-4.75) 82(10.625,-4.25) 83(10.625,-3.75) 84(10.625,-3.25) 85(10.625,-2.75) 86(10.625,-2.25) 87(10.625,-1.75) 88(10.625,-1.25) 89(10.625,-0.75) 90(10.625,-0.25) 91(10.625,0.25) 92(10.625,0.75) 93(10.625,1.25) 94(10.625,1.75) 95(10.625,2.25) 96(10.625,2.75) 97(10.625,3.25) 98(10.625,3.75) 99(10.625,4.25) 100(10.625,4.75) 101(10.625,5.25) 102(10.625,5.75) 103(10.625,6.25) 104(10.625,6.75) 105(10.625,7.25) 106(10.625,7.75) 107(10.625,8.25) 108(10.625,8.75)
  rect 0.35x1.6 smd: 37(-8.75,-10.625) 38(-8.25,-10.625) 39(-7.75,-10.625) 40(-7.25,-10.625) 41(-6.75,-10.625) 42(-6.25,-10.625) 43(-5.75,-10.625) 44(-5.25,-10.625) 45(-4.75,-10.625) 46(-4.25,-10.625) 47(-3.75,-10.625) 48(-3.25,-10.625) 49(-2.75,-10.625) 50(-2.25,-10.625) 51(-1.75,-10.625) 52(-1.25,-10.625) 53(-0.75,-10.625) 54(-0.25,-10.625) 55(0.25,-10.625) 56(0.75,-10.625) 57(1.25,-10.625) 58(1.75,-10.625) 59(2.25,-10.625) 60(2.75,-10.625) 61(3.25,-10.625) 62(3.75,-10.625) 63(4.25,-10.625) 64(4.75,-10.625) 65(5.25,-10.625) 66(5.75,-10.625) 67(6.25,-10.625) 68(6.75,-10.625) 69(7.25,-10.625) 70(7.75,-10.625) 71(8.25,-10.625) 72(8.75,-10.625) 109(8.75,10.625) 110(8.25,10.625) 111(7.75,10.625) 112(7.25,10.625) 113(6.75,10.625) 114(6.25,10.625) 115(5.75,10.625) 116(5.25,10.625) 117(4.75,10.625) 118(4.25,10.625) 119(3.75,10.625) 120(3.25,10.625) 121(2.75,10.625) 122(2.25,10.625) 123(1.75,10.625) 124(1.25,10.625) 125(0.75,10.625) 126(0.25,10.625) 127(-0.25,10.625) 128(-0.75,10.625) 129(-1.25,10.625) 130(-1.75,10.625) 131(-2.25,10.625) 132(-2.75,10.625) 133(-3.25,10.625) 134(-3.75,10.625) 135(-4.25,10.625) 136(-4.75,10.625) 137(-5.25,10.625) 138(-5.75,10.625) 139(-6.25,10.625) 140(-6.75,10.625) 141(-7.25,10.625) 142(-7.75,10.625) 143(-8.25,10.625) 144(-8.75,10.625)
  silkscreen extent -10.75,-9.55 9.55,9.6, body extent -11,-11 11,11, height 2
MOLEX-PB-8-R [mm]
  rrect20% 0.8x1.6 smd: 1(-0.025,0.025)
  rect 0.8x1.6 smd: 2(1.225,0.025) 3(2.475,0.025) 4(3.725,0.025) 5(4.975,0.025) 6(6.225,0.025) 7(7.475,0.025) 8(8.725,0.025)
  rrect20% 2.1x3 smd: MP(-2.575,-2.875) MP(11.275,-2.875)
  silkscreen extent -1.55,-4.97 10.25,-0.77, body extent -3.2,-4.72 11.95,0.49, height 3.4
MSOP-10 [mil] "10-Lead Mini Small Outline Package"
  rect 10x50 smd: 1(0,0)
  oval 10x50 smd: 2(20,0) 3(40,0) 4(60,0) 5(80,0) 6(80,190) 7(60,190) 8(40,190) 9(20,190) 10(0,190)
  silkscreen extent -20,30 100,160, body extent -23,-6 103,196, height 42
"PLD2-40 (DS-1025-05 2x20)" [mm] "DUAL ROW STRAIGHT 2mm"
  rect 1.2x1.2 hole 0.8: 1(0,0)
  round 1.2 hole 0.8: 2(0,2) 3(2,0) 4(2,2) 5(4,0) 6(4,2) 7(6,0) 8(6,2) 9(8,0) 10(8,2) 11(10,0) 12(10,2) 13(12,0) 14(12,2) 15(14,0) 16(14,2) 17(16,0) 18(16,2) 19(18,0) 20(18,2) 21(20,0) 22(20,2) 23(22,0) 24(22,2) 25(24,0) 26(24,2) 27(26,0) 28(26,2) 29(28,0) 30(28,2) 31(30,0) 32(30,2) 33(32,0) 34(32,2) 35(34,0) 36(34,2) 37(36,0) 38(36,2) 39(38,0) 40(38,2)
  silkscreen extent -1,-1 39,3, body extent -1,-1.27 39,3.32, height 5.5
ReperPoint [mm] "Reper"
  round 1 smd mask+1: 1(0,0)
"SC70 6-Lead" [mm] "6-Lead SC70, EIAJ SC88, 1.25mm Wide"
  oval 0.85x0.4 smd: 1(0,0)
  rect 0.85x0.4 smd: 2(0,-0.65) 3(0,-1.3) 4(2.2,-1.3) 5(2.2,-0.65) 6(2.2,0)
  silkscreen extent -0.12,-1.75 1.4,0.87, body extent -0.02,-1.75 2.22,0.45, height 0.95
SOD-323 [mm] "SC-76 plastic surface mounted package; 2 leads"
  rrect50% 0.5x0.7 smd: 1(0,0)
  rect 0.5x0.7 smd: 2(0,2.2)
  silkscreen extent -0.76,-0.38 0.7,2, body extent -0.67,-0.2 0.68,2.4, height 1.1
SOIC-8 [mil]
  rect 70x23.62 smd: 1(0,0)
  oval 70x25 smd: 2(0,-50) 3(0,-100) 4(0,-150) 5(250,-150) 6(250,-100) 7(250,-50) 8(250,0)
  silkscreen extent -8,-170 210,49, body extent -41,-181 289,31, height 90
SOIC-8-WIDE [mm] "SOIC, 8-Leads, Body 5,85x7,50mm, Pitch 1,27mm, IPC Medium Density"
  oval 1.95x0.6 smd: 1(0,0.025)
  rect 1.95x0.6 smd: 2(0,-1.245) 3(0,-2.515) 4(0,-3.785) 5(10.5,-3.785) 6(10.5,-2.515) 7(10.5,-1.245) 8(10.5,0.025)
  silkscreen extent -0.12,-4.88 9.13,1.12, body extent -0.5,-4.88 11,1.12, height 2.8
SOIC-16-WIDE [mm] "SOIC, 16-Leads, Body 10.3x7.5mm, Pitch 1.27mm, IPC Medium Density"
  oval 2.3x0.6 smd: 1(0,-0.005) 2(0,-1.275) 3(0,-2.545) 4(0,-3.815) 5(0,-5.085) 6(0,-6.355) 7(0,-7.625) 8(0,-8.895) 9(9.15,-8.895) 10(9.15,-7.625) 11(9.15,-6.355) 12(9.15,-5.085) 13(9.15,-3.815) 14(9.15,-2.545) 15(9.15,-1.275) 16(9.15,-0.005)
  silkscreen extent -0.12,-9.7 7.6,0.97, body extent -0.67,-9.62 9.82,0.73, height 2.65
SOT-23 [mm]
  rrect50% 0.95x0.9 smd: 1(0,0)
  rect 0.95x0.9 smd: 2(0,-1.9) 3(2.5,-0.95)
  silkscreen extent 0.87,-2.25 2.5,0.35, body extent 0,-2.45 2.5,0.55, height 1.08
"SOT-323 (SC-70)" [mm] "SOT23, 3-Leads, Body 2x1.25mm, Pitch 0.65mm"
  rrect50% 0.9x0.7 smd: 1(0,0)
  rect 0.9x0.7 smd: 2(0,-1.3) 3(1.9,-0.65)
  silkscreen extent -0.07,-1.65 1.58,0.72, body extent -0.2,-1.75 2.05,0.45, height 1.07